# Altium PCB PCBDesign.PcbDoc (part 4 of 8) (continued)
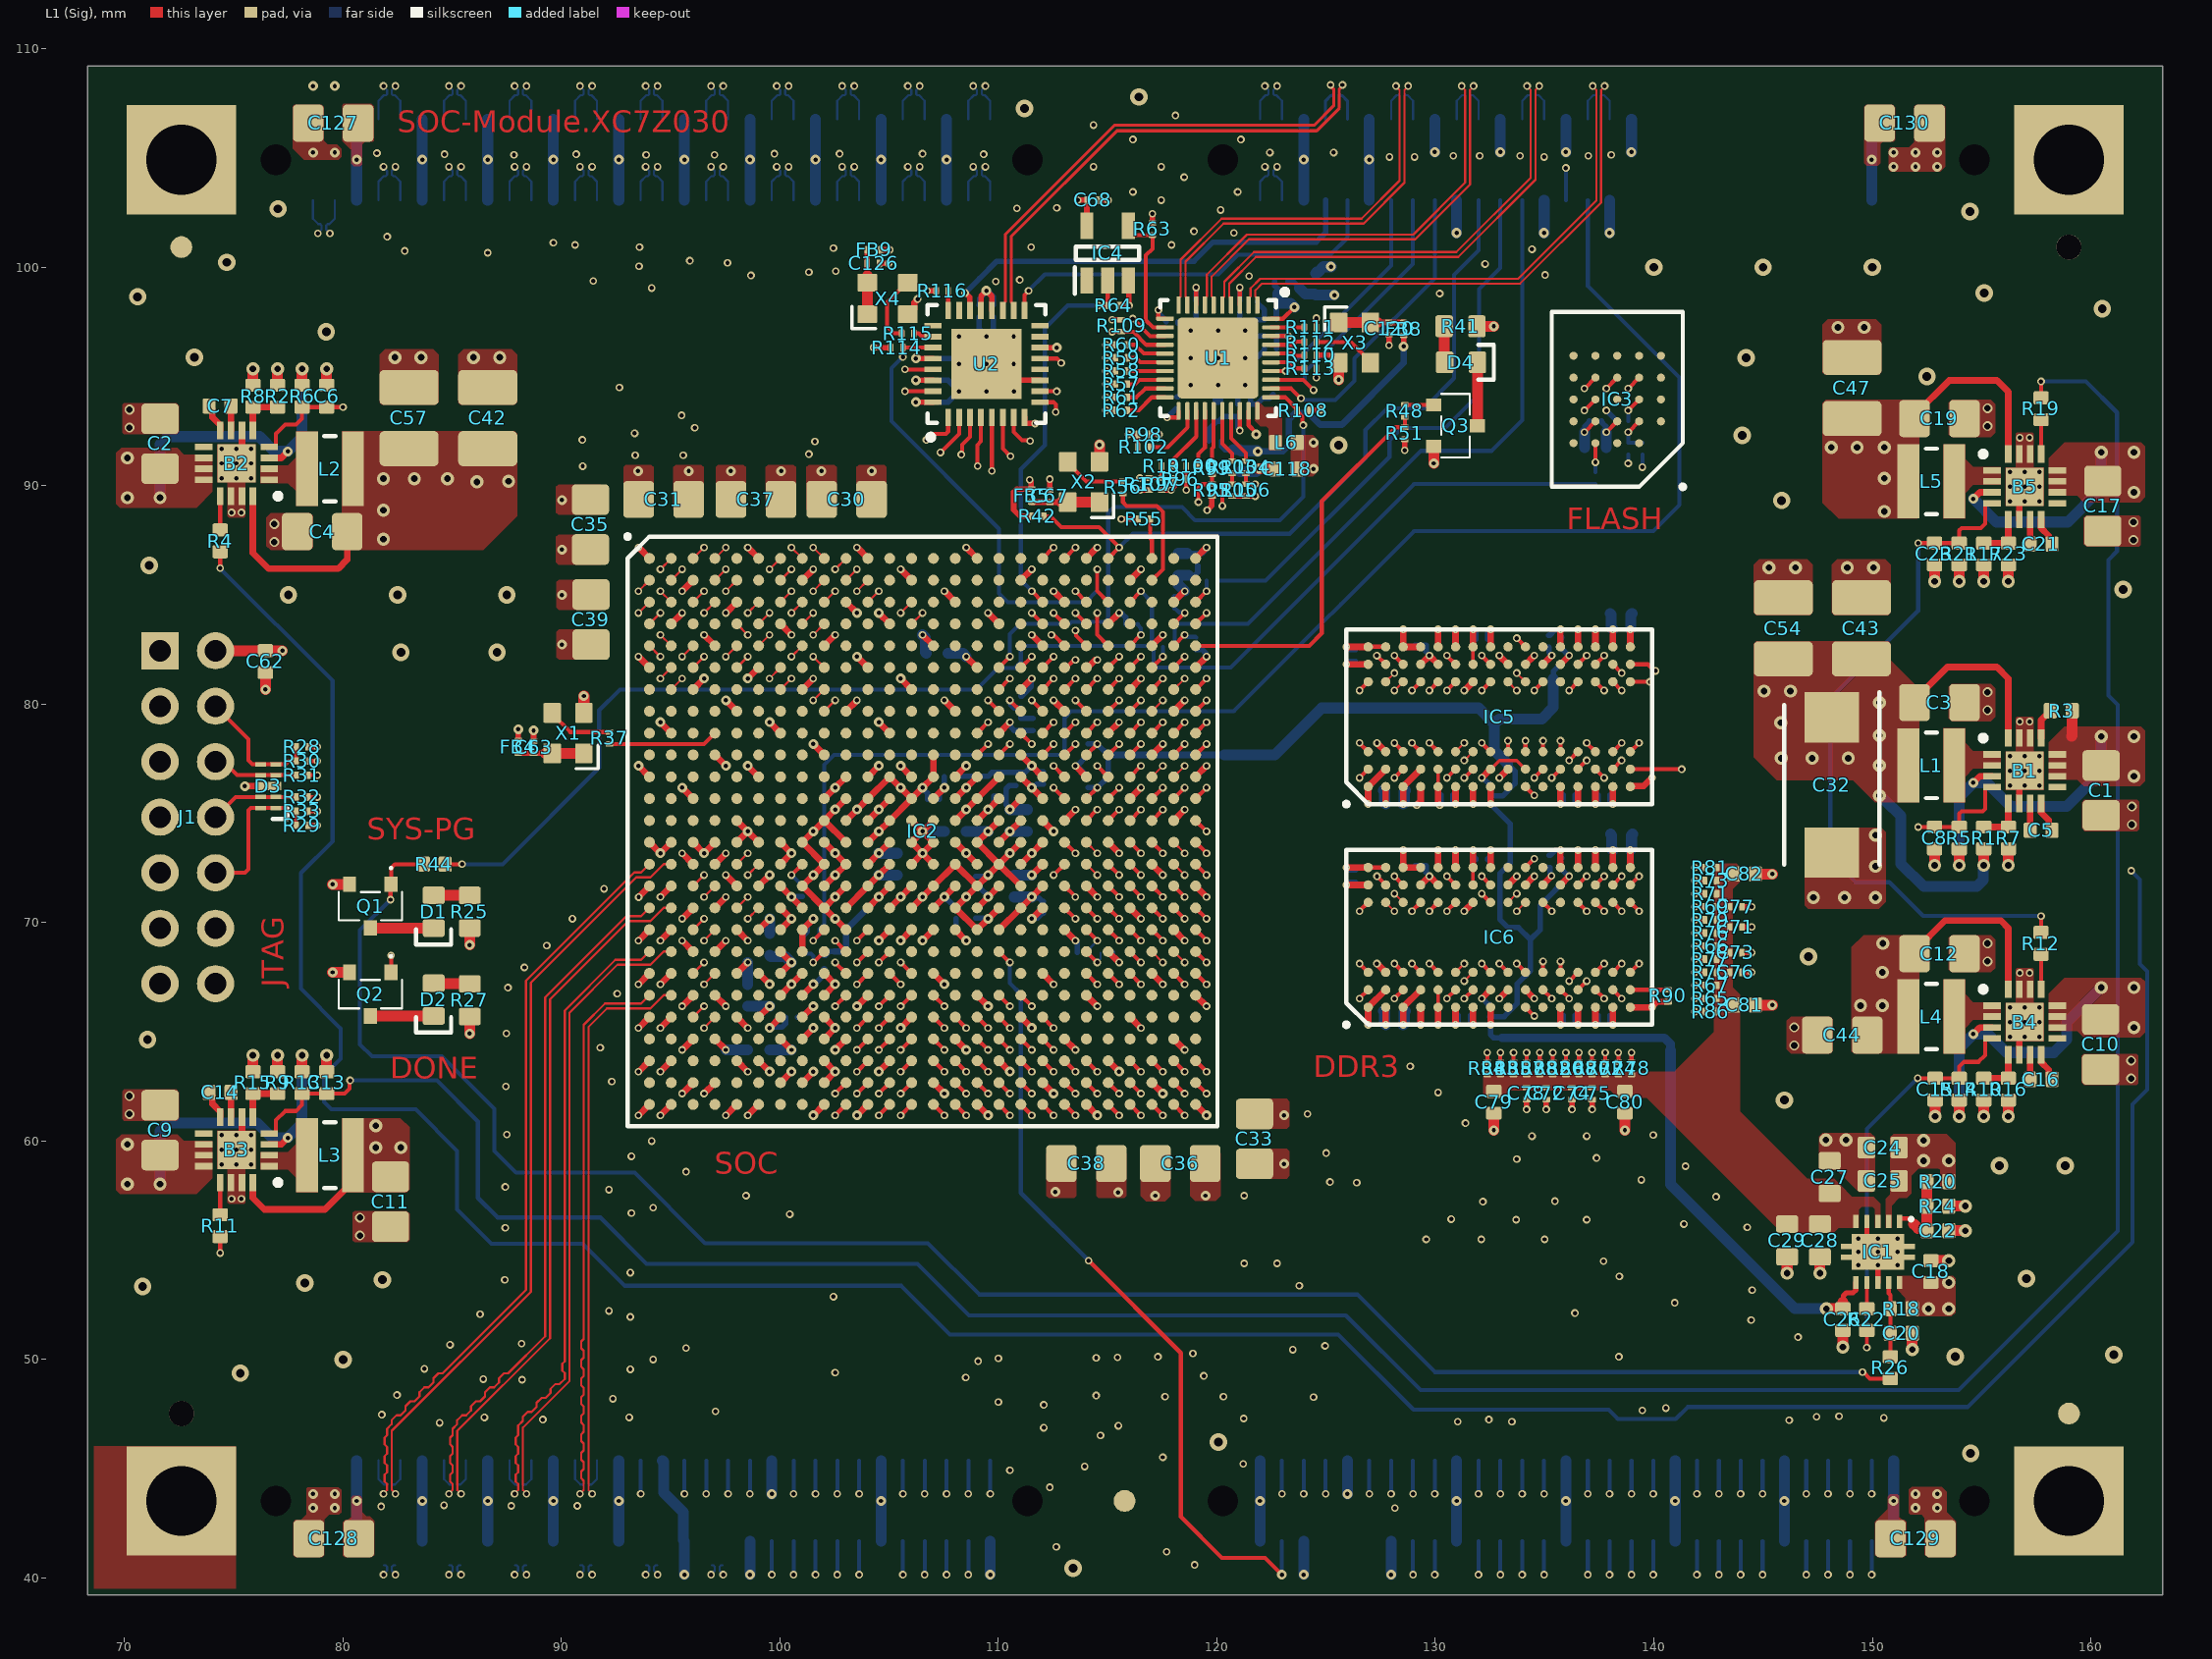
[diagram p0: L1 (Sig) view]
## Nets (pads, with @x,y where several pads share a name; then routed paths per layer and width w, separated by ;. In a path a pad name is that pad's centre, name@x,y a point inside that pad or via, vN(x,y) a via of type N, cw(c..) or ccw(c..) an arc to the next point about the centre after c; other vN are vias at no path point) (continued)
  L10 (Sig) w0.1: J4.34@93.625,106.775 93.625,107.625 93.875,107.875 93.956,107.875 94.015,107.934 94.015,108.116 93.85,108.281 v1(93.85,108.3)
B34_IO_L8_P: IC2.D9 J4.32 | length 39.2
  L1 (Sig) w0.1: v1(101.525,83.175) IC2.D9@102.025,83.675
  L5 (Sig) w0.09: v1(94.4,108.3) 94.4,108.272 94.245,108.117 94.245,105.744 95.24,104.749 95.24,100.385 95.95,99.675 96.032,99.593 96.115,99.593 96.46,99.938 96.742,99.938 97.216,99.464 97.216,99.182 95.965,97.93 95.965,97.847 96.299,97.513 96.382,97.513 97.633,98.764 97.916,98.764 98.39,98.29 98.39,98.008 97.139,96.756 97.139,96.673 97.472,96.339 97.556,96.339 98.28,97.063 98.562,97.063 98.797,96.828 102.665,92.96 102.665,89.874 102.14,89.349 102.14,83.815 101.88,83.555 101.578,83.555 101.525,83.502 v1(101.525,83.175)
  L10 (Sig) w0.1: v1(94.4,108.3) 94.4,108.281 94.235,108.116 94.235,107.934 94.294,107.875 94.375,107.875 94.625,107.625 J4.32@94.625,106.775
B34_IO_L9_N: IC2.E8 J4.4 | length 41.9
  L1 (Sig) w0.1: v1(100.525,82.175) IC2.E8@101.025,82.675
  L7 (Sig) w0.09: v1(100.525,82.175) 100.852,82.175 100.905,82.228 100.905,88.405 101.375,88.875 103.311,88.875 103.525,89.089 103.525,90.91 103.525,91.601 103.725,91.801 103.956,91.801 104.015,91.86 104.015,92.332 103.956,92.391 103.562,92.391 103.363,92.59 103.363,93.261 103.562,93.461 103.956,93.461 104.015,93.52 104.015,93.992 103.956,94.051 103.562,94.051 103.363,94.25 103.363,94.921 103.562,95.121 103.956,95.121 104.015,95.18 104.015,95.652 103.956,95.711 103.725,95.711 103.525,95.91 103.525,96.125 103.525,97.475 103.695,97.645 103.776,97.726 103.776,97.81 103.606,97.98 103.606,98.262 104.081,98.736 104.363,98.736 104.978,98.122 105.061,98.122 105.395,98.456 105.395,98.539 104.78,99.153 104.78,99.436 105.255,99.91 105.537,99.91 106.151,99.296 106.235,99.296 106.569,99.629 106.569,99.713 105.954,100.327 105.954,100.61 106.428,101.084 106.711,101.084 107.325,100.469 107.409,100.469 107.742,100.803 107.742,100.887 107.481,101.148 107.481,101.431 107.881,101.831 108.035,101.985 108.035,104.774 109.005,105.744 109.005,108.117 108.85,108.272 v1(108.85,108.3)
  L10 (Sig) w0.1: J4.4@108.625,106.775 108.625,107.625 108.875,107.875 108.956,107.875 109.015,107.934 109.015,108.116 108.85,108.281 v1(108.85,108.3)
B34_IO_L9_P: IC2.F9 J4.2 | length 42
  L1 (Sig) w0.1: v1(101.525,82.175) IC2.F9@102.025,81.675
  L7 (Sig) w0.09: v1(101.525,82.175) 101.198,82.175 101.145,82.228 101.145,88.306 101.474,88.635 103.41,88.635 103.765,88.99 103.765,90.91 103.765,91.502 103.824,91.561 104.055,91.561 104.255,91.76 104.255,92.431 104.055,92.631 103.662,92.631 103.603,92.69 103.603,93.162 103.662,93.221 104.055,93.221 104.255,93.42 104.255,94.091 104.055,94.291 103.662,94.291 103.603,94.35 103.603,94.822 103.662,94.881 104.055,94.881 104.255,95.08 104.255,95.751 104.055,95.951 103.824,95.951 103.765,96.01 103.765,96.125 103.765,97.376 103.865,97.475 104.016,97.627 104.016,97.909 103.846,98.079 103.846,98.163 104.18,98.496 104.264,98.496 104.878,97.882 105.16,97.882 105.635,98.356 105.635,98.638 105.02,99.253 105.02,99.336 105.354,99.67 105.437,99.67 106.052,99.056 106.334,99.056 106.809,99.53 106.809,99.812 106.194,100.427 106.194,100.51 106.528,100.844 106.611,100.844 107.226,100.229 107.508,100.229 107.982,100.704 107.982,100.986 107.721,101.248 107.721,101.331 108.051,101.662 108.275,101.886 108.275,104.675 109.245,105.645 109.245,107.22 109.3,107.275 109.3,107.65 109.245,107.705 109.245,108.117 109.4,108.272 v1(109.4,108.3)
  L10 (Sig) w0.1: v1(109.4,108.3) 109.4,108.281 109.235,108.116 109.235,107.934 109.294,107.875 109.375,107.875 109.625,107.625 J4.2@109.625,106.775
B34_IO_L10_N: IC2.D5 J4.10 | length 39.5
  L1 (Sig) w0.1: IC2.D5@98.025,83.675 v1(98.525,83.175)
  L7 (Sig) w0.09: v1(98.525,83.175) 98.852,83.175 98.905,83.228 98.905,85.954 98.905,88.874 100.71,90.679 100.71,92.075 100.71,92.322 100.651,92.381 99.976,92.381 99.777,92.58 99.777,93.251 99.976,93.451 101.306,93.451 101.365,93.51 101.365,93.982 101.306,94.041 99.976,94.041 99.777,94.24 99.777,94.911 99.976,95.111 101.306,95.111 101.365,95.17 101.365,95.642 101.306,95.701 99.976,95.701 99.777,95.9 99.777,96.571 99.976,96.771 101.306,96.771 101.365,96.83 101.365,97.302 101.306,97.361 100.91,97.361 100.71,97.56 100.71,97.775 100.71,100.035 105.035,104.36 105.035,104.699 106.005,105.669 106.005,108.117 105.85,108.272 v1(105.85,108.3)
  L10 (Sig) w0.1: J4.10@105.625,106.775 105.625,107.625 105.875,107.875 105.956,107.875 106.015,107.934 106.015,108.116 105.85,108.281 v1(105.85,108.3)
B34_IO_L10_P: IC2.E6 J4.8 | length 40.9
  L1 (Sig) w0.1: IC2.E6@99.025,82.675 v1(99.525,83.175)
  L7 (Sig) w0.09: v1(99.525,83.175) 99.198,83.175 99.145,83.228 99.145,85.855 99.145,88.775 100.95,90.58 100.95,92.075 100.95,92.421 100.75,92.621 100.076,92.621 100.017,92.68 100.017,93.152 100.076,93.211 101.406,93.211 101.605,93.41 101.605,94.081 101.406,94.281 100.076,94.281 100.017,94.34 100.017,94.812 100.076,94.871 101.406,94.871 101.605,95.07 101.605,95.741 101.406,95.941 100.076,95.941 100.017,96 100.017,96.472 100.076,96.531 101.406,96.531 101.605,96.73 101.605,97.401 101.406,97.601 101.009,97.601 100.95,97.66 100.95,97.775 100.95,99.936 105.275,104.261 105.275,104.6 106.245,105.57 106.245,105.756 106.245,106.291 106.298,106.344 106.604,106.344 106.653,106.393 106.653,106.785 106.604,106.834 106.294,106.834 106.245,106.883 106.245,107.275 106.294,107.324 106.604,107.324 106.653,107.373 106.653,107.765 106.604,107.814 106.298,107.814 106.245,107.867 106.245,107.955 106.245,108.117 106.4,108.272 v1(106.4,108.3)
  L10 (Sig) w0.1: v1(106.4,108.3) 106.4,108.281 106.235,108.116 106.235,107.934 106.294,107.875 106.375,107.875 106.625,107.625 J4.8@106.625,106.775
B34_IO_L12_N: IC2.F7 J4.9 | length 40.9
  L1 (Sig) w0.1: v1(99.525,81.175) IC2.F7@100.025,81.675
  L7 (Sig) w0.09: v1(99.525,81.175) 99.852,81.175 99.905,81.228 99.905,81.5 99.905,81.615 99.846,81.674 99.172,81.674 98.972,81.874 98.972,82.545 99.172,82.744 99.846,82.744 99.905,82.803 99.905,83.2 99.905,84.55 99.905,84.665 99.846,84.724 99.628,84.724 99.428,84.924 99.428,85.595 99.628,85.794 99.846,85.794 99.905,85.853 99.905,86.028 99.905,86.45 99.905,86.565 99.846,86.624 99.64,86.624 99.441,86.824 99.441,87.495 99.64,87.694 99.846,87.694 99.905,87.753 99.905,87.975 99.905,88.399 100.203,88.697 100.284,88.779 100.284,88.862 100.134,89.012 100.134,89.294 100.609,89.769 100.891,89.769 101.041,89.619 101.124,89.619 101.478,89.972 101.706,90.2 102.386,90.2 102.586,90.4 102.586,91.901 102.586,92.329 102.527,92.388 102.12,92.388 101.921,92.587 101.921,93.258 102.12,93.458 102.751,93.458 102.81,93.517 102.81,93.989 102.751,94.048 102.12,94.048 101.921,94.247 101.921,94.918 102.12,95.118 102.751,95.118 102.81,95.177 102.81,95.649 102.751,95.708 102.12,95.708 101.921,95.907 101.921,96.578 102.12,96.778 102.751,96.778 102.81,96.837 102.81,97.309 102.751,97.368 102.12,97.368 101.921,97.567 101.921,98.238 102.12,98.438 102.527,98.438 102.586,98.497 102.586,99.3 102.911,99.625 103.155,99.87 103.237,99.951 103.237,100.035 102.835,100.436 102.835,100.718 103.31,101.193 103.592,101.193 103.999,100.785 104.083,100.785 104.416,101.119 104.416,101.203 104.009,101.61 104.009,101.892 104.484,102.366 104.766,102.366 105.167,101.965 105.251,101.965 105.452,102.166 106.005,102.719 106.005,104.417 105.85,104.572 v1(105.85,104.6)
  L10 (Sig) w0.1: J4.9@105.625,103.075 105.625,103.925 105.875,104.175 105.956,104.175 106.015,104.234 106.015,104.416 105.85,104.581 v1(105.85,104.6)
B34_IO_L12_P: IC2.G7 J4.7 | length 41
  L1 (Sig) w0.1: IC2.G7@100.025,80.675 v1(100.525,81.175)
  L7 (Sig) w0.09: v1(100.525,81.175) 100.198,81.175 100.145,81.228 100.145,81.5 100.145,81.715 99.945,81.914 99.271,81.914 99.212,81.973 99.212,82.445 99.271,82.504 99.945,82.504 100.145,82.704 100.145,83.2 100.145,84.55 100.145,84.765 99.945,84.964 99.727,84.964 99.668,85.023 99.668,85.495 99.727,85.554 99.945,85.554 100.145,85.754 100.145,86.028 100.145,86.45 100.145,86.665 99.945,86.864 99.74,86.864 99.681,86.923 99.681,87.395 99.74,87.454 99.945,87.454 100.145,87.654 100.145,87.975 100.145,88.3 100.372,88.527 100.524,88.679 100.524,88.962 100.374,89.111 100.374,89.195 100.708,89.529 100.792,89.529 100.942,89.379 101.224,89.379 101.648,89.803 101.805,89.96 102.485,89.96 102.826,90.301 102.826,91.901 102.826,92.428 102.626,92.628 102.22,92.628 102.161,92.687 102.161,93.159 102.22,93.218 102.85,93.218 103.05,93.417 103.05,94.088 102.85,94.288 102.22,94.288 102.161,94.347 102.161,94.819 102.22,94.878 102.85,94.878 103.05,95.077 103.05,95.748 102.85,95.948 102.22,95.948 102.161,96.007 102.161,96.479 102.22,96.538 102.85,96.538 103.05,96.737 103.05,97.408 102.85,97.608 102.22,97.608 102.161,97.667 102.161,98.139 102.22,98.198 102.626,98.198 102.826,98.397 102.826,99.201 103.095,99.47 103.325,99.7 103.477,99.852 103.477,100.134 103.075,100.535 103.075,100.619 103.409,100.953 103.493,100.953 103.9,100.545 104.182,100.545 104.656,101.02 104.656,101.302 104.249,101.709 104.249,101.793 104.583,102.126 104.666,102.126 105.068,101.725 105.35,101.725 105.621,101.996 106.245,102.62 106.245,103.595 106.325,103.675 106.325,104.075 106.245,104.155 106.245,104.417 106.4,104.572 v1(106.4,104.6)
  L10 (Sig) w0.1: v1(106.4,104.6) 106.4,104.581 106.235,104.416 106.235,104.234 106.294,104.175 106.375,104.175 106.625,103.925 J4.7@106.625,103.075
B34_IO_L13_N: IC2.C7 J4.40 | length 36.2
  L1 (Sig) w0.1: IC2.C7@100.025,84.675 v1(100.525,85.175)
  L5 (Sig) w0.09: v1(90.85,108.3) 90.85,108.272 91.005,108.117 91.005,107.805 90.925,107.725 90.925,107.375 91.005,107.295 91.005,105.644 92.01,104.639 92.01,99.49 93.837,97.662 93.989,97.511 94.272,97.511 94.498,97.738 94.582,97.738 94.916,97.404 94.916,97.32 94.344,96.749 94.344,96.467 94.819,95.992 95.101,95.992 95.672,96.564 95.756,96.564 96.089,96.23 96.089,96.147 95.518,95.575 95.518,95.293 95.992,94.819 96.275,94.819 96.846,95.39 96.929,95.39 97.263,95.056 97.263,94.973 96.692,94.401 96.692,94.119 97.166,93.645 97.448,93.645 97.61,93.806 97.694,93.806 98.263,93.237 100.9,90.6 100.9,84.914 100.781,84.795 100.578,84.795 100.525,84.848 v1(100.525,85.175)
  L10 (Sig) w0.1: J4.40@90.625,106.775 90.625,107.625 90.875,107.875 90.956,107.875 91.015,107.934 91.015,108.116 90.85,108.281 v1(90.85,108.3)
B34_IO_L13_P: IC2.C8 J4.38 | length 36.6
  L1 (Sig) w0.1: v1(100.525,84.175) IC2.C8@101.025,84.675
  L5 (Sig) w0.09: v1(91.4,108.3) 91.4,108.272 91.245,108.117 91.245,105.744 92.25,104.739 92.25,99.589 94.007,97.832 94.089,97.751 94.172,97.751 94.399,97.978 94.681,97.978 95.156,97.503 95.156,97.221 94.584,96.65 94.584,96.566 94.918,96.232 95.001,96.232 95.573,96.804 95.855,96.804 96.329,96.329 96.329,96.047 95.758,95.476 95.758,95.392 96.092,95.059 96.175,95.059 96.747,95.63 97.029,95.63 97.503,95.156 97.503,94.873 96.932,94.302 96.932,94.219 97.266,93.885 97.349,93.885 97.511,94.046 97.793,94.046 98.432,93.407 101.14,90.699 101.14,84.815 100.88,84.555 100.578,84.555 100.525,84.502 v1(100.525,84.175)
  L10 (Sig) w0.1: v1(91.4,108.3) 91.4,108.281 91.235,108.116 91.235,107.934 91.294,107.875 91.375,107.875 91.625,107.625 J4.38@91.625,106.775
B34_IO_L14_N: IC2.C6 J4.46 | length 36.5
  L1 (Sig) w0.1: v1(98.525,84.175) IC2.C6@99.025,84.675
  L5 (Sig) w0.09: v1(87.85,108.3) 87.85,108.272 88.005,108.117 88.005,105.644 89.01,104.639 89.01,100.565 89.738,99.837 89.819,99.756 89.889,99.686 90.172,99.686 90.292,99.806 90.375,99.806 90.709,99.472 90.709,99.389 90.184,98.864 90.184,98.582 90.659,98.107 90.941,98.107 91.466,98.632 91.549,98.632 91.883,98.298 91.883,98.215 91.358,97.69 91.358,97.408 91.833,96.934 92.115,96.934 92.639,97.458 92.723,97.458 93.057,97.125 93.057,97.041 92.532,96.517 92.532,96.234 93.006,95.76 93.289,95.76 93.51,95.981 93.594,95.981 93.766,95.809 93.848,95.727 98.905,90.67 98.905,84.228 98.852,84.175 v1(98.525,84.175)
  L10 (Sig) w0.1: J4.46@87.625,106.775 87.625,107.625 87.875,107.875 87.956,107.875 88.015,107.934 88.015,108.116 87.85,108.281 v1(87.85,108.3)
B34_IO_L14_P: IC2.D6 J4.44 | length 36.5
  L1 (Sig) w0.1: IC2.D6@99.025,83.675 v1(99.525,84.175)
  L5 (Sig) w0.09: v1(88.4,108.3) 88.4,108.272 88.245,108.117 88.245,105.744 89.25,104.739 89.25,100.664 89.907,100.007 89.989,99.926 90.072,99.926 90.193,100.046 90.475,100.046 90.949,99.572 90.949,99.289 90.424,98.765 90.424,98.681 90.758,98.347 90.842,98.347 91.366,98.872 91.649,98.872 92.123,98.398 92.123,98.116 91.598,97.591 91.598,97.507 91.932,97.174 92.015,97.174 92.54,97.698 92.822,97.698 93.297,97.224 93.297,96.942 92.772,96.417 92.772,96.334 93.106,96 93.189,96 93.411,96.221 93.693,96.221 93.936,95.979 94.017,95.897 99.145,90.769 99.145,84.228 99.198,84.175 v1(99.525,84.175)
  L10 (Sig) w0.1: v1(88.4,108.3) 88.4,108.281 88.235,108.116 88.235,107.934 88.294,107.875 88.375,107.875 88.625,107.625 J4.44@88.625,106.775
B34_IO_L15_N: IC2.B9 J4.15 | length 33.4
  L1 (Sig) w0.1: v1(101.525,85.175) IC2.B9@102.025,85.675
  L3 (Sig) w0.09: v1(101.525,85.175) 101.852,85.175 101.905,85.228 101.905,87.607 102.098,87.8 103.457,87.8 103.51,87.853 103.51,88.317 103.51,88.798 103.71,88.998 104.511,88.998 104.57,89.057 104.57,89.529 104.511,89.588 103.71,89.588 103.51,89.787 103.51,90.002 103.51,91.2 103.51,91.526 103.71,91.726 104.532,91.726 104.591,91.785 104.591,92.257 104.532,92.316 103.695,92.316 103.496,92.515 103.496,93.186 103.695,93.386 104.532,93.386 104.591,93.445 104.591,93.917 104.532,93.976 103.695,93.976 103.496,94.175 103.496,94.846 103.695,95.046 104.532,95.046 104.591,95.105 104.591,95.577 104.532,95.636 103.71,95.636 103.51,95.835 103.51,96.05 103.51,97.024 103.751,97.265 104.457,97.265 104.51,97.318 104.51,97.972 104.457,98.025 103.9,98.025 ; v1(102.85,104.6) 102.85,104.572 103.005,104.417 103.005,104.205 102.9,104.1 102.9,103.725 103.005,103.62 103.005,98.295 103.275,98.025 103.851,98.025
  L10 (Sig) w0.1: J4.15@102.625,103.075 102.625,103.925 102.875,104.175 102.956,104.175 103.015,104.234 103.015,104.416 102.85,104.581 v1(102.85,104.6)
B34_IO_L15_P: IC2.C9 J4.13 | length 33.4
  L1 (Sig) w0.1: IC2.C9@102.025,84.675 v1(102.525,85.175)
  L3 (Sig) w0.09: v1(102.525,85.175) 102.198,85.175 102.145,85.228 102.145,87.507 102.198,87.56 103.557,87.56 103.75,87.753 103.75,88.317 103.75,88.699 103.809,88.758 104.611,88.758 104.81,88.957 104.81,89.628 104.611,89.828 103.809,89.828 103.75,89.887 103.75,90.002 103.75,91.2 103.75,91.427 103.809,91.486 104.631,91.486 104.831,91.685 104.831,92.356 104.631,92.556 103.795,92.556 103.736,92.615 103.736,93.087 103.795,93.146 104.631,93.146 104.831,93.345 104.831,94.016 104.631,94.216 103.795,94.216 103.736,94.275 103.736,94.747 103.795,94.806 104.631,94.806 104.831,95.005 104.831,95.676 104.631,95.876 103.809,95.876 103.75,95.935 103.75,96.05 103.75,96.925 103.85,97.025 104.557,97.025 104.75,97.218 104.75,98.072 104.557,98.265 103.851,98.265 103.374,98.265 103.245,98.394 103.245,104.417 103.4,104.572 v1(103.4,104.6)
  L10 (Sig) w0.1: v1(103.4,104.6) 103.4,104.581 103.235,104.416 103.235,104.234 103.294,104.175 103.375,104.175 103.625,103.925 J4.13@103.625,103.075
B34_IO_L16_N: IC2.A10 J4.28 | length 34
  L1 (Sig) w0.1: v1(102.525,86.175) IC2.A10@103.025,86.675
  L5 (Sig) w0.09: v1(96.85,108.3) 96.85,108.272 97.005,108.117 97.005,105.831 97.985,104.851 97.985,100.951 99.075,99.86 99.157,99.779 99.406,99.53 99.688,99.53 100.083,99.925 100.167,99.925 100.501,99.591 100.501,99.508 99.49,98.498 99.49,98.215 99.965,97.741 100.247,97.741 101.257,98.751 101.341,98.751 101.674,98.418 101.674,98.334 100.664,97.324 100.664,97.042 101.139,96.567 101.421,96.567 101.853,96.999 101.936,96.999 102.018,96.918 103.51,95.426 103.51,89.697 102.905,89.092 102.905,86.228 102.852,86.175 v1(102.525,86.175)
  L10 (Sig) w0.1: J4.28@96.625,106.775 96.625,107.625 96.875,107.875 96.956,107.875 97.015,107.934 97.015,108.116 96.85,108.281 v1(96.85,108.3)
B34_IO_L16_P: IC2.B10 J4.26 | length 34.3
  L1 (Sig) w0.1: IC2.B10@103.025,85.675 v1(103.525,86.175)
  L5 (Sig) w0.09: v1(97.4,108.3) 97.4,108.272 97.245,108.117 97.245,108.073 97.245,107.83 97.298,107.778 97.408,107.778 97.457,107.729 97.457,107.337 97.408,107.288 97.298,107.288 97.245,107.235 97.245,106.7 97.245,105.93 98.225,104.95 98.225,101.05 99.245,100.03 99.326,99.948 99.505,99.77 99.589,99.77 99.984,100.165 100.266,100.165 100.741,99.691 100.741,99.408 99.73,98.398 99.73,98.315 100.064,97.981 100.148,97.981 101.158,98.991 101.44,98.991 101.914,98.517 101.914,98.235 100.904,97.225 100.904,97.141 101.238,96.807 101.321,96.807 101.753,97.239 102.036,97.239 102.106,97.169 102.187,97.088 103.75,95.525 103.75,89.597 103.145,88.992 103.145,86.228 103.198,86.175 v1(103.525,86.175)
  L10 (Sig) w0.1: v1(97.4,108.3) 97.4,108.281 97.235,108.116 97.235,107.934 97.294,107.875 97.375,107.875 97.625,107.625 J4.26@97.625,106.775
B34_IO_L17_N: IC2.A8 J4.21 | length 32.9
  L1 (Sig) w0.1: v1(100.525,87.175) IC2.A8@101.025,86.675
  L3 (Sig) w0.09: v1(99.85,104.6) 99.85,104.572 100.005,104.417 100.005,104.376 100.005,104.116 99.952,104.063 99.623,104.063 99.574,104.014 99.574,103.622 99.623,103.573 99.956,103.573 100.005,103.524 100.005,103.132 99.956,103.083 99.623,103.083 99.574,103.034 99.574,102.642 99.623,102.593 99.952,102.593 100.005,102.54 100.005,102.495 100.005,101.675 100.005,101.46 100.205,101.261 100.522,101.261 100.581,101.202 100.581,100.73 100.522,100.671 99.706,100.671 99.506,100.471 99.506,99.8 99.706,99.601 99.946,99.601 100.005,99.542 100.005,99.044 100.005,98.906 100.119,98.792 100.271,98.64 100.553,98.64 100.922,99.009 101.006,99.009 101.339,98.675 101.339,98.592 100.653,97.905 100.653,97.623 101.127,97.149 101.409,97.149 101.544,97.283 101.627,97.283 101.965,96.946 102.012,96.898 102.271,96.64 102.842,96.64 102.901,96.581 102.901,96.109 102.842,96.05 102.257,96.05 102.057,95.85 102.057,95.18 102.257,94.98 102.842,94.98 102.901,94.921 102.901,94.449 102.842,94.39 102.257,94.39 102.057,94.19 102.057,93.52 102.257,93.32 102.842,93.32 102.901,93.261 102.901,92.789 102.842,92.73 102.257,92.73 102.057,92.53 102.057,91.86 102.257,91.66 102.842,91.66 102.901,91.601 102.901,91.129 102.842,91.07 102.535,91.07 102.335,90.87 102.335,90.36 102.335,89.628 102.282,89.575 101.098,89.575 100.905,89.382 100.905,87.228 100.852,87.175 v1(100.525,87.175)
  L10 (Sig) w0.1: J4.21@99.625,103.075 99.625,103.925 99.875,104.175 99.956,104.175 100.015,104.234 100.015,104.416 99.85,104.581 v1(99.85,104.6)
B34_IO_L17_P: IC2.A9 J4.19 | length 31.4
  L1 (Sig) w0.1: v1(101.525,87.175) IC2.A9@102.025,86.675
  L3 (Sig) w0.09: v1(100.4,104.6) 100.4,104.572 100.245,104.417 100.245,104.325 100.245,103.031 100.245,101.675 100.245,101.56 100.304,101.501 100.621,101.501 100.821,101.301 100.821,100.63 100.621,100.431 99.805,100.431 99.746,100.372 99.746,99.9 99.805,99.841 100.045,99.841 100.245,99.641 100.245,99.044 100.245,99.005 100.289,98.961 100.37,98.88 100.454,98.88 100.823,99.249 101.105,99.249 101.579,98.775 101.579,98.492 100.893,97.806 100.893,97.723 101.227,97.389 101.31,97.389 101.445,97.523 101.727,97.523 102.134,97.116 102.325,96.925 102.37,96.88 102.941,96.88 103.141,96.68 103.141,96.01 102.941,95.81 102.356,95.81 102.297,95.751 102.297,95.279 102.356,95.22 102.941,95.22 103.141,95.02 103.141,94.35 102.941,94.15 102.356,94.15 102.297,94.091 102.297,93.619 102.356,93.56 102.941,93.56 103.141,93.36 103.141,92.69 102.941,92.49 102.356,92.49 102.297,92.431 102.297,91.959 102.356,91.9 102.941,91.9 103.141,91.7 103.141,91.03 102.941,90.83 102.634,90.83 102.575,90.771 102.575,90.36 102.575,89.528 102.382,89.335 101.198,89.335 101.145,89.282 101.145,87.228 101.198,87.175 v1(101.525,87.175)
  L10 (Sig) w0.1: v1(100.4,104.6) 100.4,104.581 100.235,104.416 100.235,104.234 100.294,104.175 100.375,104.175 100.625,103.925 J4.19@100.625,103.075
B34_IO_L18_N: IC2.A7 J4.27 | length 36.3
  L1 (Sig) w0.1: v1(99.525,86.175) IC2.A7@100.025,86.675
  L3 (Sig) w0.09: v1(96.85,104.6) 96.85,104.572 97.005,104.417 97.005,102.075 97.005,101.453 96.946,101.394 96.53,101.394 96.33,101.195 96.33,100.524 96.53,100.324 96.946,100.324 97.005,100.265 97.005,100.15 97.005,99.356 97.156,99.205 97.308,99.053 97.59,99.053 97.893,99.356 97.977,99.356 98.31,99.022 98.31,98.939 97.574,98.203 97.574,97.92 98.049,97.446 98.331,97.446 99.067,98.182 99.15,98.182 99.484,97.848 99.484,97.765 98.748,97.029 98.748,96.747 99.223,96.272 99.505,96.272 100.241,97.008 100.324,97.008 100.658,96.674 100.658,96.591 100.355,96.288 100.355,96.006 100.607,95.753 100.611,95.75 100.611,95.35 100.611,95.135 100.81,94.936 101.437,94.936 101.496,94.877 101.496,94.405 101.437,94.346 99.959,94.346 99.759,94.146 99.759,93.475 99.959,93.276 101.437,93.276 101.496,93.217 101.496,92.745 101.437,92.686 99.959,92.686 99.759,92.486 99.759,91.815 99.959,91.616 100.552,91.616 100.611,91.557 100.611,91.244 100.611,90.17 100.558,90.117 100.098,90.117 99.905,89.924 99.905,86.228 99.852,86.175 v1(99.525,86.175)
  L10 (Sig) w0.1: J4.27@96.625,103.075 96.625,103.925 96.875,104.175 96.956,104.175 97.015,104.234 97.015,104.416 96.85,104.581 v1(96.85,104.6)
B34_IO_L18_P: IC2.B7 J4.25 | length 36.4
  L1 (Sig) w0.1: IC2.B7@100.025,85.675 v1(100.525,86.175)
  L3 (Sig) w0.09: v1(97.4,104.6) 97.4,104.572 97.245,104.417 97.245,104.3 97.245,104.16 97.298,104.107 97.304,104.107 97.353,104.058 97.353,103.666 97.304,103.617 97.298,103.617 97.245,103.564 97.245,103.029 97.245,102.075 97.245,101.354 97.045,101.154 96.629,101.154 96.57,101.095 96.57,100.623 96.629,100.564 97.045,100.564 97.245,100.365 97.245,100.15 97.245,99.455 97.326,99.374 97.407,99.293 97.491,99.293 97.794,99.596 98.076,99.596 98.55,99.121 98.55,98.839 97.814,98.103 97.814,98.02 98.148,97.686 98.232,97.686 98.968,98.422 99.25,98.422 99.724,97.948 99.724,97.665 98.988,96.929 98.988,96.846 99.322,96.512 99.405,96.512 100.141,97.248 100.424,97.248 100.898,96.774 100.898,96.492 100.595,96.188 100.595,96.105 100.777,95.923 100.851,95.849 100.851,95.35 100.851,95.235 100.91,95.176 101.537,95.176 101.736,94.976 101.736,94.305 101.537,94.106 100.058,94.106 99.999,94.047 99.999,93.575 100.058,93.516 101.537,93.516 101.736,93.316 101.736,92.645 101.537,92.446 100.058,92.446 99.999,92.387 99.999,91.915 100.058,91.856 100.651,91.856 100.851,91.656 100.851,91.244 100.851,90.071 100.657,89.877 100.198,89.877 100.145,89.825 100.145,86.228 100.198,86.175 v1(100.525,86.175)
  L10 (Sig) w0.1: v1(97.4,104.6) 97.4,104.581 97.235,104.416 97.235,104.234 97.294,104.175 97.375,104.175 97.625,103.925 J4.25@97.625,103.075
B34_IO_L19_N: IC2.C3 J4.58 | length 36.5
  L1 (Sig) w0.1: IC2.C3@96.025,84.675 v1(96.525,85.175)
  L5 (Sig) w0.09: v1(81.85,108.3) 81.85,108.272 82.005,108.117 82.005,107.855 81.825,107.675 81.825,107.45 82.005,107.27 82.005,106.945 81.85,106.79 81.85,106.515 82.005,106.36 82.005,106.035 81.85,105.88 81.85,105.686 83.01,104.526 83.01,101.965 83.273,101.702 83.354,101.621 83.425,101.55 83.707,101.55 83.981,101.825 84.065,101.825 84.399,101.491 84.399,101.408 84.124,101.133 84.124,100.851 84.693,100.282 84.774,100.201 91.81,93.165 91.81,90.84 91.81,87.715 92.975,86.55 96.686,86.55 96.9,86.336 96.9,84.939 96.756,84.795 96.578,84.795 96.525,84.848 v1(96.525,85.175)
  L10 (Sig) w0.1: J4.58@81.625,106.775 81.625,107.625 81.875,107.875 81.956,107.875 82.015,107.934 82.015,108.116 81.85,108.281 v1(81.85,108.3)
B34_IO_L19_P: IC2.C4 J4.56 | length 36.5
  L1 (Sig) w0.1: v1(96.525,84.175) IC2.C4@97.025,84.675
  L5 (Sig) w0.09: v1(82.4,108.3) 82.4,108.272 82.245,108.117 82.245,105.63 83.25,104.625 83.25,102.064 83.443,101.872 83.524,101.79 83.607,101.79 83.882,102.065 84.164,102.065 84.639,101.591 84.639,101.308 84.364,101.034 84.364,100.95 84.863,100.452 84.944,100.37 92.05,93.264 92.05,87.814 93.074,86.79 96.785,86.79 97.14,86.435 97.14,84.84 96.855,84.555 96.578,84.555 96.525,84.502 v1(96.525,84.175)
  L10 (Sig) w0.1: v1(82.4,108.3) 82.4,108.281 82.235,108.116 82.235,107.934 82.294,107.875 82.375,107.875 82.625,107.625 J4.56@82.625,106.775
B34_IO_L20_N: IC2.B4 J4.33 | length 36.5
  L1 (Sig) w0.1: IC2.B4@97.025,85.675 v1(97.525,86.175)
  L3 (Sig) w0.09: v1(93.85,104.6) 93.85,104.572 94.005,104.417 94.005,99.67 94.288,99.387 94.369,99.306 94.44,99.235 94.722,99.235 95.043,99.556 95.126,99.556 95.46,99.222 95.46,99.139 94.822,98.501 94.822,98.219 95.296,97.745 95.579,97.745 96.216,98.382 96.3,98.382 96.634,98.049 96.634,97.965 95.996,97.328 95.996,97.045 96.47,96.571 96.753,96.571 97.39,97.209 97.474,97.209 97.807,96.875 97.807,96.791 97.17,96.154 97.17,95.872 97.644,95.397 97.926,95.397 98.06,95.531 98.144,95.531 98.197,95.478 98.278,95.397 98.325,95.35 98.355,95.32 98.355,95.135 98.555,94.936 99.122,94.936 99.181,94.877 99.181,94.405 99.122,94.346 97.559,94.346 97.359,94.146 97.359,93.475 97.559,93.276 99.122,93.276 99.181,93.217 99.181,92.745 99.122,92.686 97.559,92.686 97.359,92.486 97.359,91.815 97.559,91.616 98.296,91.616 98.355,91.557 98.355,90.997 98.355,90.075 97.925,89.644 97.925,85.848 97.872,85.795 97.578,85.795 97.525,85.848 v1(97.525,86.175)
  L10 (Sig) w0.1: J4.33@93.625,103.075 93.625,103.925 93.875,104.175 93.956,104.175 94.015,104.234 94.015,104.416 93.85,104.581 v1(93.85,104.6)
B34_IO_L20_P: IC2.B5 J4.31 | length 37.1
  L1 (Sig) w0.1: v1(97.525,85.175) IC2.B5@98.025,85.675
  L3 (Sig) w0.09: v1(94.4,104.6) 94.4,104.572 94.245,104.417 94.245,104.383 94.245,104.189 94.298,104.137 94.378,104.137 94.427,104.088 94.427,103.696 94.378,103.647 94.298,103.647 94.245,103.594 94.245,103.059 94.245,99.769 94.457,99.557 94.539,99.475 94.622,99.475 94.943,99.796 95.225,99.796 95.7,99.322 95.7,99.04 95.062,98.402 95.062,98.318 95.396,97.985 95.479,97.985 96.117,98.622 96.399,98.622 96.874,98.148 96.874,97.866 96.236,97.228 96.236,97.145 96.57,96.811 96.653,96.811 97.291,97.449 97.573,97.449 98.047,96.974 98.047,96.692 97.41,96.054 97.41,95.971 97.743,95.637 97.827,95.637 97.961,95.771 98.243,95.771 98.367,95.648 98.448,95.566 98.595,95.419 98.595,95.35 98.595,95.235 98.654,95.176 99.221,95.176 99.421,94.976 99.421,94.305 99.221,94.106 97.658,94.106 97.599,94.047 97.599,93.575 97.658,93.516 99.221,93.516 99.421,93.316 99.421,92.645 99.221,92.446 97.658,92.446 97.599,92.387 97.599,91.915 97.658,91.856 98.396,91.856 98.595,91.656 98.595,90.997 98.595,89.975 98.165,89.545 98.165,85.748 97.972,85.555 97.578,85.555 97.525,85.502 v1(97.525,85.175)
  L10 (Sig) w0.1: v1(94.4,104.6) 94.4,104.581 94.235,104.416 94.235,104.234 94.294,104.175 94.375,104.175 94.625,103.925 J4.31@94.625,103.075
B34_IO_L22_N: IC2.A3 J4.52 | length 34.7
  L1 (Sig) w0.1: IC2.A3@96.025,86.675 v1(96.525,87.175)
  L5 (Sig) w0.09: v1(84.85,108.3) 84.85,108.272 85.005,108.117 85.005,105.545 86.01,104.54 86.01,101.665 86.338,101.338 86.507,101.168 86.789,101.168 86.982,101.361 87.066,101.361 87.399,101.027 87.399,100.944 86.442,99.986 86.442,99.704 86.916,99.229 87.198,99.229 88.156,100.187 88.24,100.187 88.573,99.853 88.573,99.77 87.616,98.812 87.616,98.53 88.09,98.056 88.372,98.056 88.954,98.638 89.037,98.638 89.119,98.556 96.905,90.77 96.905,87.842 96.905,87.228 96.852,87.175 v1(96.525,87.175)
  L10 (Sig) w0.1: J4.52@84.625,106.775 84.625,107.625 84.875,107.875 84.956,107.875 85.015,107.934 85.015,108.116 84.85,108.281 v1(84.85,108.3)
B34_IO_L22_P: IC2.A4 J4.50 | length 34.8
  L1 (Sig) w0.1: IC2.A4@97.025,86.675 v1(97.525,87.175)
  L5 (Sig) w0.09: v1(85.4,108.3) 85.4,108.272 85.245,108.117 85.245,107.905 85.35,107.8 85.35,107.425 85.245,107.32 85.245,106.995 85.35,106.89 85.35,106.515 85.245,106.41 85.245,105.644 86.25,104.639 86.25,101.764 86.507,101.507 86.606,101.408 86.69,101.408 86.883,101.601 87.165,101.601 87.639,101.127 87.639,100.844 86.682,99.887 86.682,99.803 87.015,99.469 87.099,99.469 88.057,100.427 88.339,100.427 88.813,99.953 88.813,99.671 87.856,98.713 87.856,98.629 88.189,98.296 88.273,98.296 88.855,98.878 89.137,98.878 89.289,98.726 97.145,90.869 97.145,87.743 97.145,87.228 97.198,87.175 v1(97.525,87.175)
  L10 (Sig) w0.1: v1(85.4,108.3) 85.4,108.281 85.235,108.116 85.235,107.934 85.294,107.875 85.375,107.875 85.625,107.625 J4.50@85.625,106.775